# Altium PCB USBtoDB9.PcbDoc
Units mm, origin at the board's own origin, x right, y up, seen from the top; angles counter-clockwise.
Board outline 22.35 x 64.52 mm, 2 copper layers (Top Layer, Bottom Layer); 5 components, 6 nets, 38 pads, 1 vias.
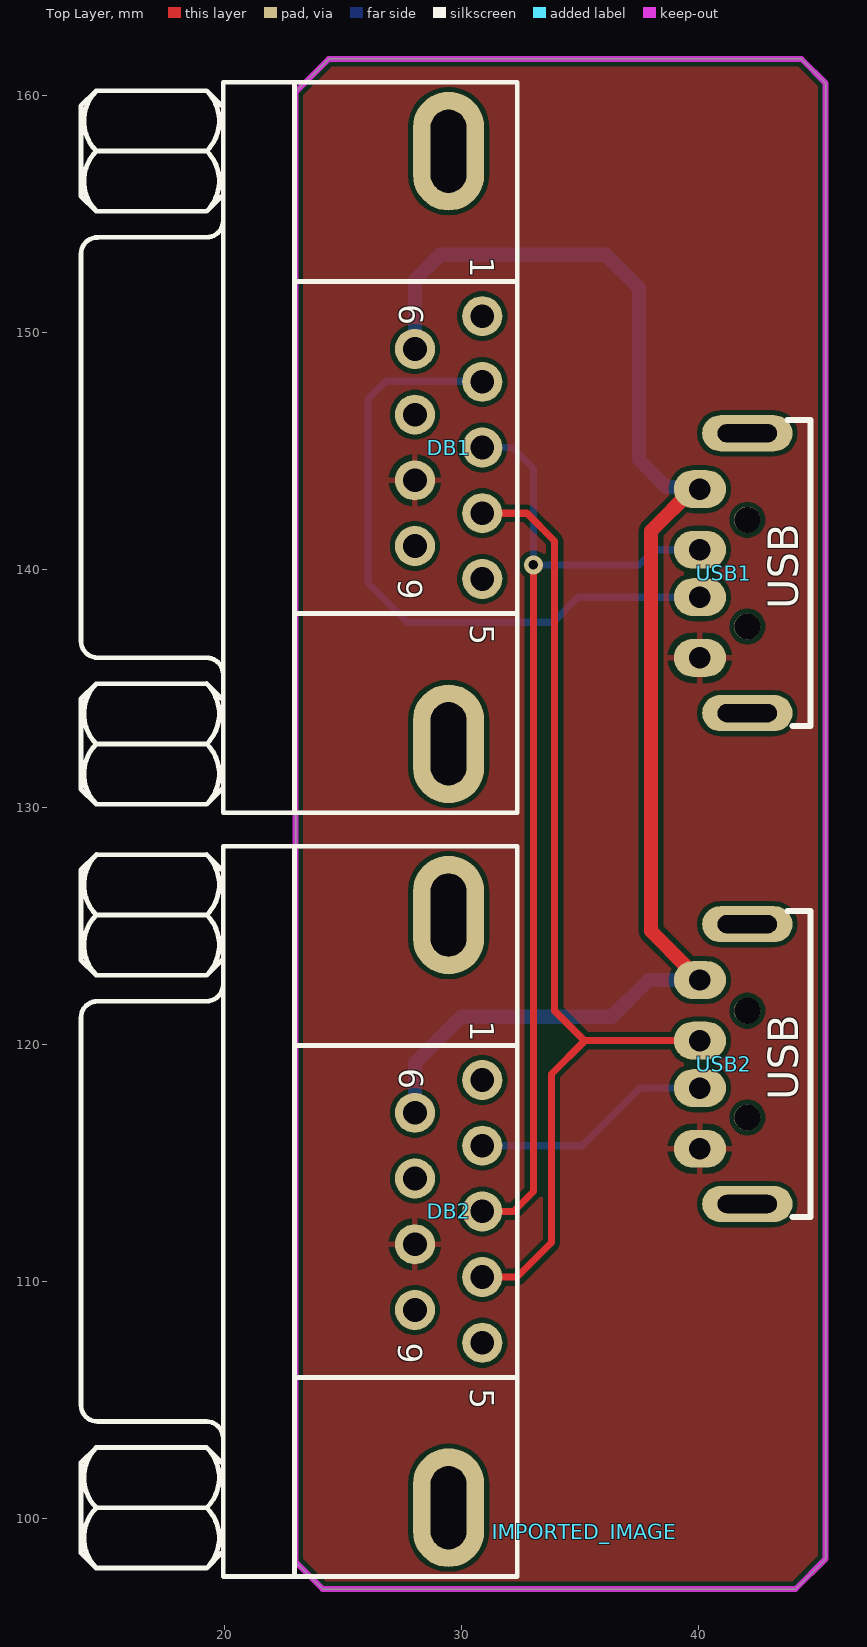
[diagram p0: Top Layer view]
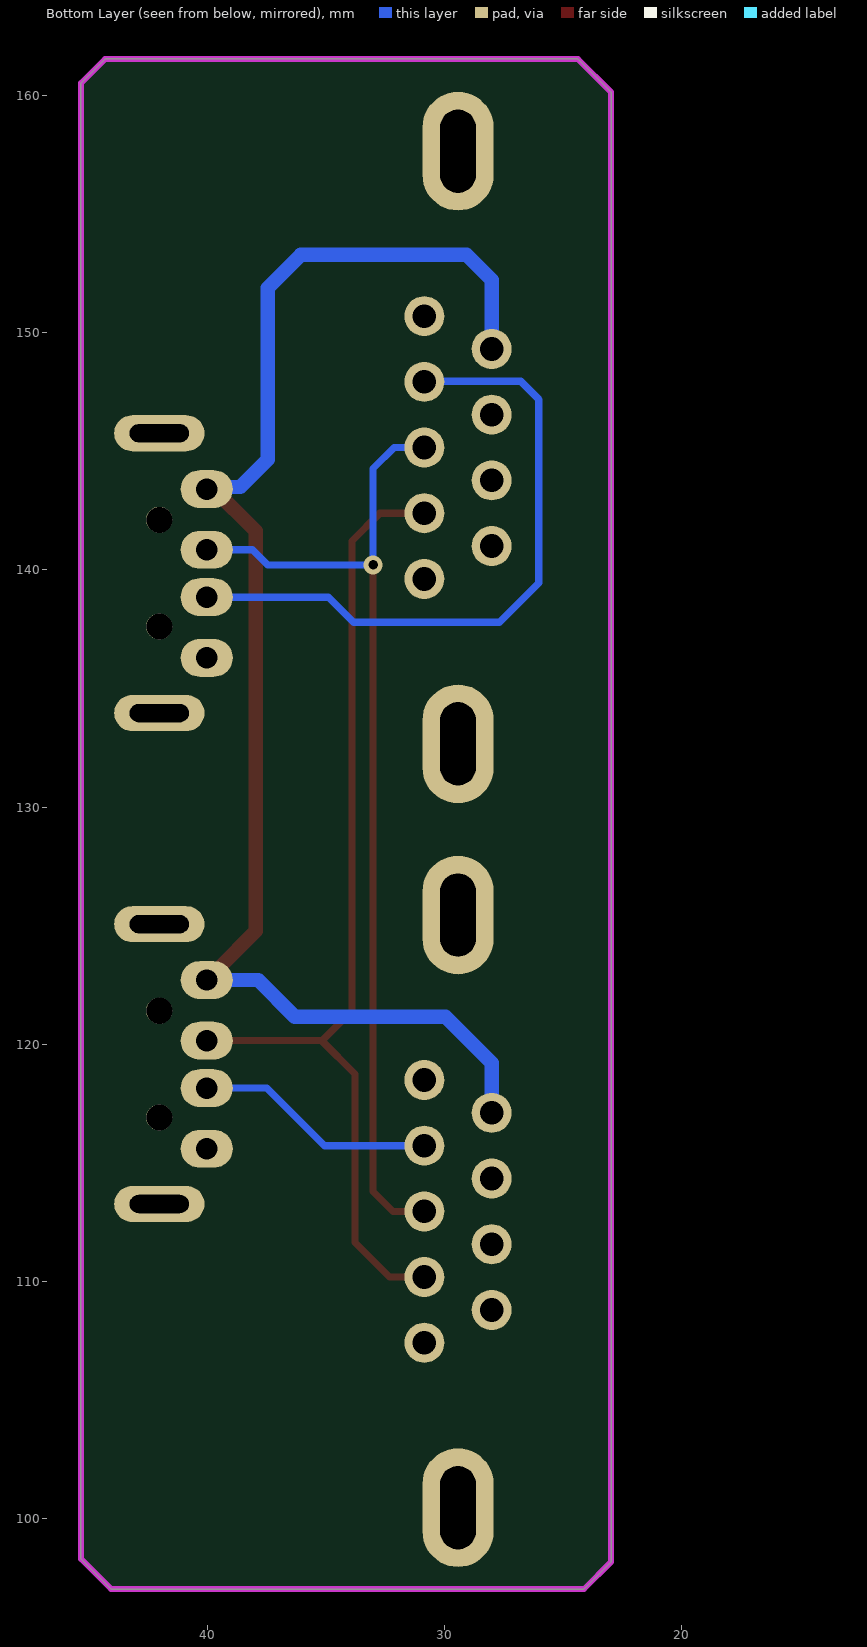
[diagram p1: Bottom Layer view, seen from below]
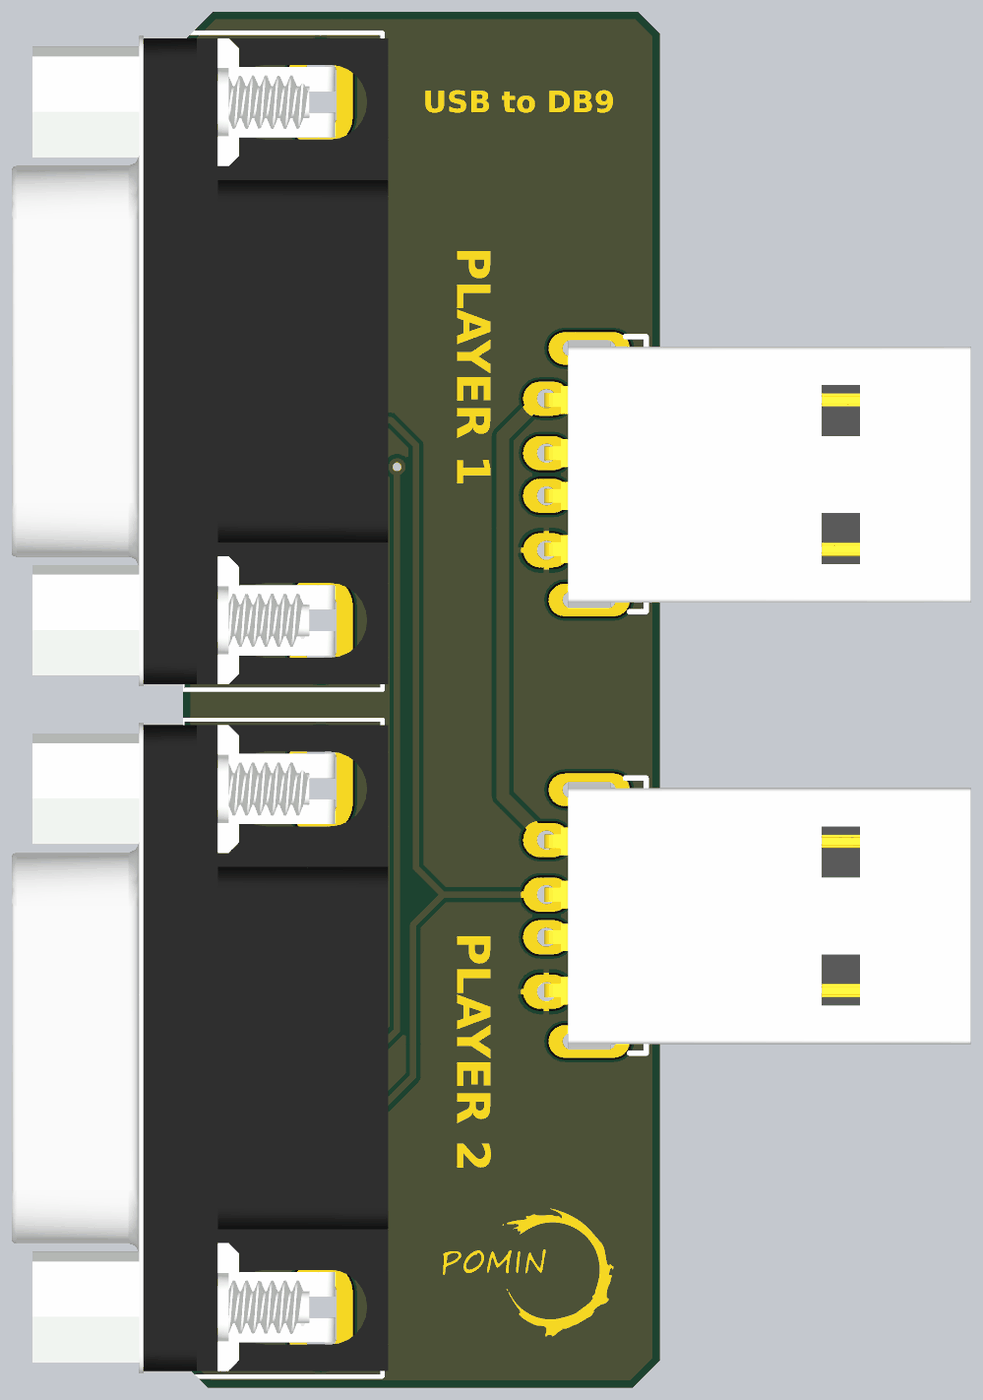
[diagram p2: 3D render of the assembled board from above, using the file's embedded part models]

## Layer stack, top to bottom
Top Solder: solder mask 0.0102, Solder Resist, Dk 3.5
Top Layer: signal copper 0.0356
Dielectric 1: dielectric 0.32, FR-4, Dk 4.8
Bottom Layer: signal copper 0.0356
Bottom Solder: solder mask 0.0102, Solder Resist, Dk 3.5

## Board outline
24.13,97.028 22.987,98.171 22.987,160.147 24.384,161.544 44.323,161.544 45.339,160.528 45.339,98.298 44.069,97.028

## Design rules (kind name [scope] priority, off if disabled: settings)
Clearance [All] p1: gap=0.2 ignorepadtopadclearanceinfootprint=FALSE
PolygonConnect [All] p1: connectstyle=Relief reliefconductorwidth=0.254 reliefentries=4 polygonreliefangle="90 Angle" airgapwidth=0.254
RoutingVias [All] p1: holewidth=0.711 width=1.27 viastyle="Through Hole" minholewidth=0.711 minwidth=1.27 maxholewidth=0.711 maxwidth=1.27
SolderMaskExpansion [All] p1: expansion=0.102 istentingtop=FALSE
Width [All] p1: maxlimit=1 minlimit=0.254 preferedwidth=0.6 minimp=50.000000 maximp=50.000000 favimp=50.000000
30 further rules are at their usual default settings.

## Classes and differential pairs
component class "USB to DB9": DB1 DB2 USB1 USB2

## Components (designator, comment, footprint, x,y, rotation, side; value= is the part's Value field where it differs from the comment)
DB1 "DB9/M" DB9/M/90 22.86,144.986 r270 top
DB2 "DB9/M" DB9/M/90 22.86,112.776 r270 top
IMPORTED_IMAGE "Comment" IMPORTED_IMAGE 35.179,99.441 r90 top
USB1 "USB-A" USB_A/P_A 40.037,143.406 r90 top
USB2 "USB-A" USB_A/P_A 40.037,122.705 r90 top

## Footprints (in the part's own frame and the unit in brackets; to place one, negate y for a bottom-side part, rotate by r counter-clockwise, add the part's x,y. Pads: shape width x height; smd on the part's side, far side on the other; paste and mask are expansions set on the pad)
DB9/M/90 [mm]
  round 1.69 hole 1: 1(-5.715,8.001) 2(-2.945,8.001) 3(-0.175,8.001) 4(2.595,8.001) 5(5.365,8.001) 6(-4.33,5.161) 7(-1.56,5.161) 8(1.21,5.161) 9(3.98,5.161)
  oval 5x3 hole 1.5 slot 3.5 at 0 deg: 10(12.32,6.581) 11(-12.67,6.581)
  silkscreen extent -15.57,-8.92 15.23,9.48, body extent -15.43,-7.94 15.07,9.76, height 12.75
IMPORTED_IMAGE [mm]
USB_A/P_A [mm]
  oval 1.524x3.81 hole 0.762 slot 2.5 at 90 deg: 0(-9.443,-2) 0(2.357,-2)
  round 1.1 hole 1.1: 0(-5.793,-2) 0(-1.293,-2)
  oval 1.6x2.2 hole 0.9: 1(0,0) 2(-2.556,0) 3(-4.556,0) 4(-7.112,0)
  silkscreen extent -9.99,-4.67 2.91,-3.7, body extent -10.03,-19.91 2.91,0.1, height 3.25

## Via types
v1: diameter 0.8, hole 0.4, Top Layer to Bottom Layer, tented both sides, 1 vias

## Nets (pads, with @x,y where several pads share a name; then routed paths per layer and width w, separated by ;. In a path a pad name is that pad's centre, name@x,y a point inside that pad or via, vN(x,y) a via of type N, cw(c..) or ccw(c..) an arc to the next point about the centre after c; other vN are vias at no path point)
+5: DB1.6 DB2.6 USB1.1 USB2.1 | length 61.9
  Top Layer w0.6: USB2.1 40.008,122.705 39.546,123.167 39.546,123.196 37.973,124.769 37.973,141.642 39.737,143.406 USB1.1
  Bottom Layer w0.6: DB2.6 28.021,119.207 29.972,121.158 36.322,121.158 37.869,122.705 USB2.1 ; DB1.6 28.021,152.227 29.083,153.289 36.068,153.289 37.465,151.892 37.465,144.653 38.623,143.495 39.947,143.495 USB1.1
CLOCK: DB1.4 DB2.4 USB2.2 | length 42.6
  Top Layer w0.3: DB2.4 32.33,110.181 33.782,111.633 33.782,118.745 35.186,120.149 ; DB1.4 32.742,142.391 33.909,141.224 33.909,121.412 34.862,120.459 35.172,120.149 USB2.2
DAT1: DB1.2 USB1.3 | length 28
  Bottom Layer w0.3: DB1.2 30.837,147.955 26.797,147.955 26.035,147.193 26.035,139.446 27.686,137.795 33.842,137.795 34.897,138.85 USB1.3
DAT2: DB2.2 USB2.3 | length 10.2
  Bottom Layer w0.3: DB2.2 35.076,115.721 37.504,118.149 USB2.3
GND: DB1.8 DB2.8 USB1.4 USB2.4
LATCH: DB1.3 DB2.3 USB1.2 | length 42.8
  Top Layer w0.3: DB2.3 32.179,112.951 33.02,113.792 v1(33.02,140.208)
  Bottom Layer w0.3: DB1.3 32.131,145.161 33.02,144.272 v1(33.02,140.208) 37.465,140.208 38.107,140.85 USB1.2
pads on no net: DB1.1 DB1.5 DB1.7 DB1.9 DB1.10 DB1.11 DB2.1 DB2.5 DB2.7 DB2.9 DB2.10 DB2.11 USB1.0 USB2.0

## Polygon pours and split planes (outlines as drawn)
GND on Top Layer "GND_L01_P000" (solid, remove dead copper, pour order 0): 24.257,161.544 44.196,161.544 45.212,160.528 45.212,98.171 44.196,97.155 24.003,97.155 22.86,98.298 22.987,98.425 22.987,160.274

## Keep-outs
Keep-Out Layer:
  lines w0.254: 22.987,98.171 24.13,97.028 44.069,97.028 45.339,98.298 45.339,112.014 45.339,125.857 45.339,133.096 45.339,147.193 45.339,160.528 44.323,161.544 24.384,161.544 22.987,160.147 22.987,98.171

## Silkscreen, mask and mechanical layers (free items; w line width, h text height)
Top Solder:
  text "USB to DB9" at 33.801,154.889 h2
  text "PLAYER 1" at 34.313,151.125 h3.05 r270
  text "PLAYER 2" at 34.313,118.994 h3.05 r270

## Text inside footprints (layer, text, board x,y; h text height)
DB1: Top Overlay "6" at 27.361,151.201 h1.02 r270; Top Overlay "1" at 30.361,153.201 h1.02 r270; Top Overlay "5" at 30.361,137.701 h1.02 r270; Top Overlay "9" at 27.311,139.621 h1.02 r270
DB2: Top Overlay "6" at 27.361,118.991 h1.02 r270; Top Overlay "1" at 30.361,120.991 h1.02 r270; Top Overlay "5" at 30.361,105.491 h1.02 r270; Top Overlay "9" at 27.311,107.411 h1.02 r270
USB1: Top Overlay "USB" at 44.196,138.339 h1.27 r90
USB2: Top Overlay "USB" at 44.196,117.638 h1.27 r90